# Altium PCB PCB2.PcbDoc
Units mm, origin at the board's own origin, x right, y up, seen from the top; angles counter-clockwise.
Board outline 195 x 115 mm, 2 copper layers (Top Layer, Bottom Layer); 47 components, 41 nets, 174 pads, 4 vias.
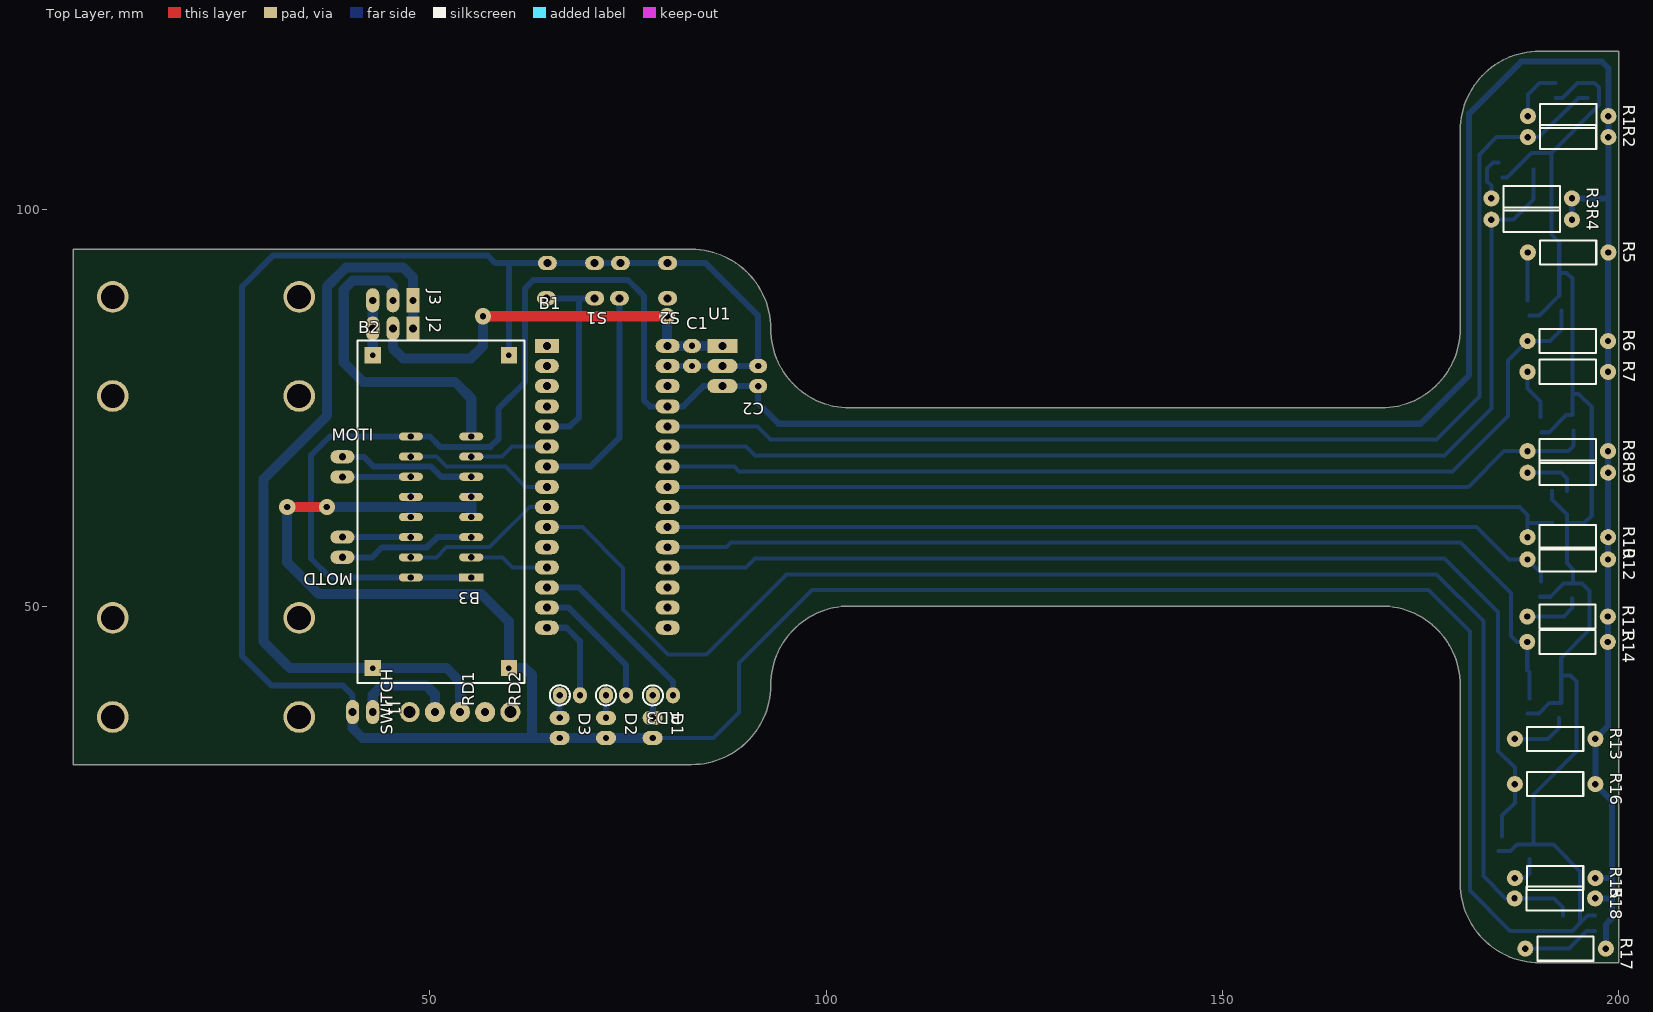
[diagram p0: Top Layer view]
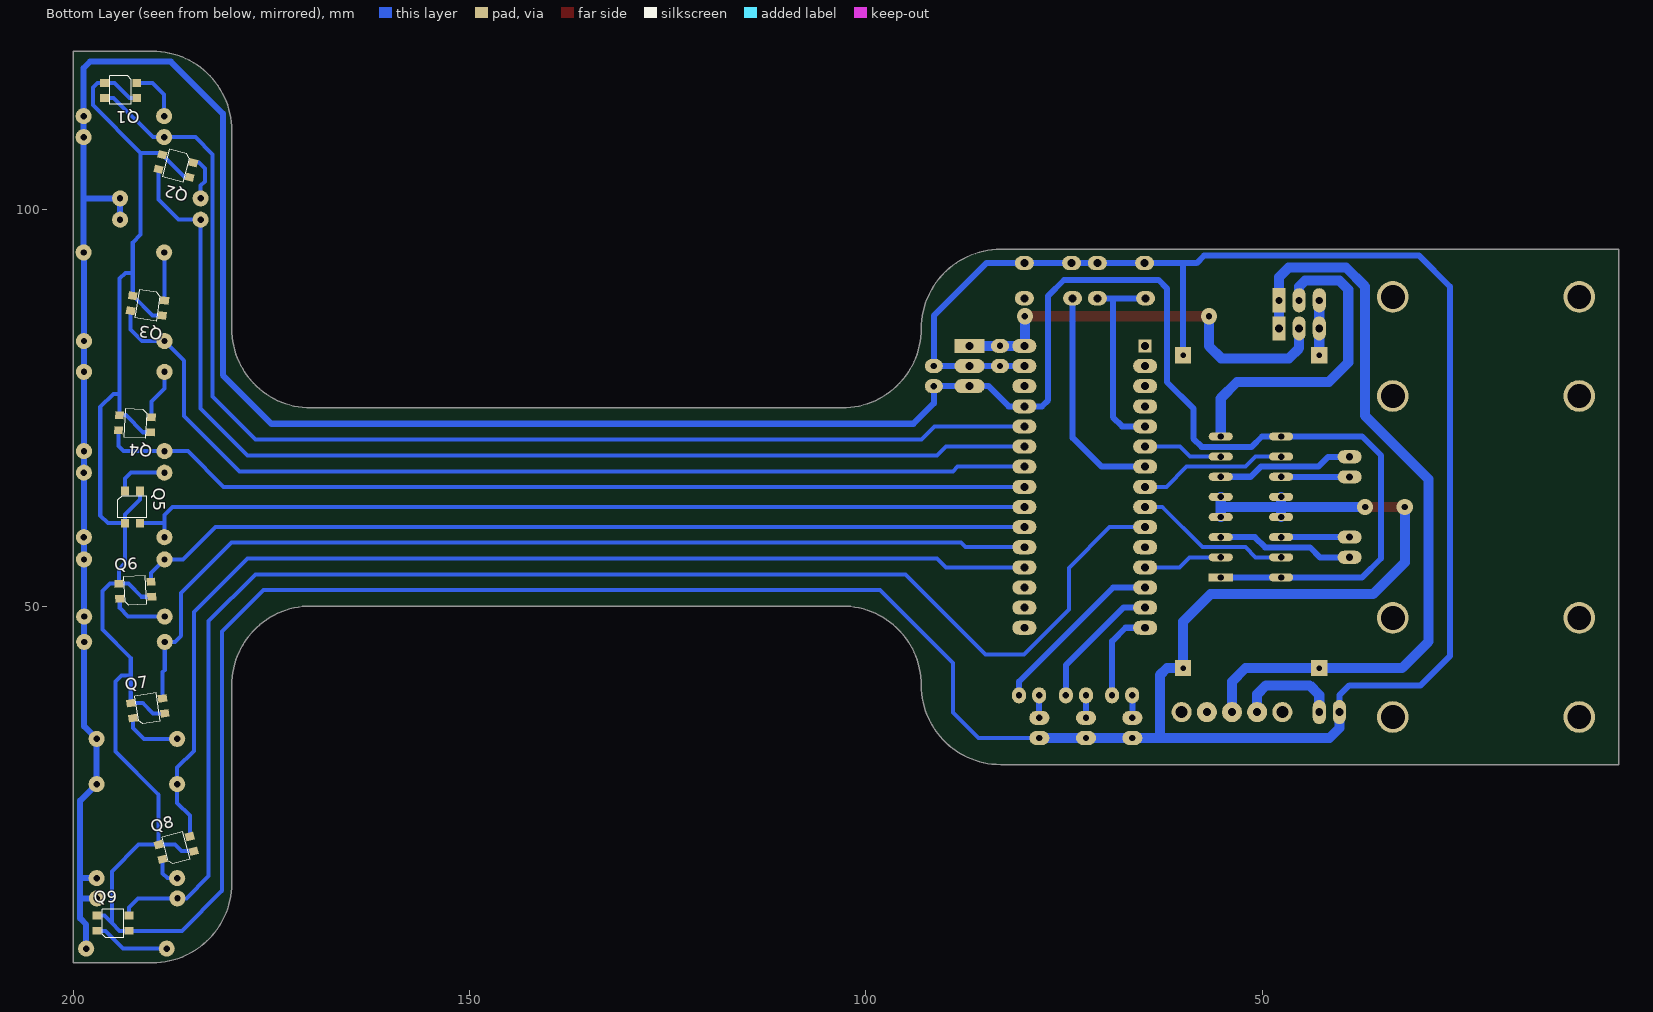
[diagram p1: Bottom Layer view, seen from below]

## Layer stack, top to bottom
Top Solder: solder mask 0.0102, Solder Resist, Dk 3.5
Top Layer: signal copper 0.0356
Dielectric 1: dielectric 0.32, FR-4, Dk 4.8
Bottom Layer: signal copper 0.0356
Bottom Solder: solder mask 0.0102, Solder Resist, Dk 3.5

## Board outline
5,30 83,30 ccw(c83,40) 93,40 cw(c103,40) 103,50 170,50 cw(c170,40) 180,40 180,15 ccw(c190,15) 190,5 200,5 200,120 190,120 ccw(c190,110) 180,110 180,85 cw(c170,85) 170,75 103,75 cw(c103,85) 93,85 ccw(c83,85) 83,95 5,95

## Design rules (kind name [scope] priority, off if disabled: settings)
Clearance [All] p1: gap=0.254
PolygonConnect [All] p1: connectstyle=Relief reliefconductorwidth=0.254 reliefentries=4 polygonreliefangle="90 Angle" airgapwidth=0.254
RoutingVias [All] p1: holewidth=0.8 width=2.032 viastyle="Through Hole" minholewidth=0.8 minwidth=2.032 maxholewidth=0.8 maxwidth=2.032
SolderMaskExpansion [All] p1: expansion=0.102
Width [All] p1: maxlimit=1.27 minlimit=0.508 preferedwidth=0.762
30 further rules are at their usual default settings.

## Components (designator, comment, footprint, x,y, rotation, side; value= is the part's Value field where it differs from the comment)
B1 "ARDUINO NANO" "ARDUINO NANO" 72.38,65.04 r0 top
B2 "XL6009" "XL6009 mdl" 50.49,62.03 r90 top
B3 "L293D" DIP16 55.22,53.61 r180 top
C1 "CAP-CER" CAP-CER 83.079,81.931 r90 top
C2 "CAP-CER" CAP-CER 91.42,78.629 r270 top
D1 "LED" LED-3MM-GREEN 78.103,34.622 r270 top
D2 "LED" LED-3MM-YELLOW 72.229,34.623 r270 top
D3 "LED" LED-3MM-RED 66.375,34.622 r270 top
J1 "Header 1x2" "HEADER 1x2"#1 41.519,36.625 r270 top
J2 "Jumper" "Header 1x3"#1 47.87,85.02 r270 top
J3 "Jumper" "Header 1x3"#2 47.87,88.57 r270 top
MOTD "Header 1x2" "HEADER 1x2"#2 38.96,57.42 r180 top
MOTI "Header 1x2" "HEADER 1x2"#2 38.96,67.56 r0 top
Q1 "QRE1113GR" QRE1113GR 194.01,115.03 r0 bottom
Q2 "QRE1113GR" QRE1113GR 187.029,105.503 r14.5 bottom
Q3 "QRE1113GR" QRE1113GR 190.613,87.886 r8.5 bottom
Q4 "QRE1113GR" QRE1113GR 192.18,72.985 r3.5 bottom
Q5 "QRE1113GR" QRE1113GR 192.5,62.5 r270 bottom
Q6 "QRE1113GR" QRE1113GR 192.18,52.015 r176.5 bottom
Q7 "QRE1113GR" QRE1113GR 190.613,37.114 r171.5 bottom
Q8 "QRE1113GR" QRE1113GR 187.029,19.497 r165.5 bottom
Q9 "QRE1113GR" QRE1113GR 195,10 r180 bottom
R1 "RES" RES-Axial-400mil 188.53,111.81 r0 top
R2 "RES" RES-Axial-400mil 188.52,109.16 r0 top
R3 "RES" RES-Axial-400mil 183.93,101.44 r0 top
R4 "RES" RES-Axial-400mil 183.93,98.74 r0 top
R5 "RES" RES-Axial-400mil 188.52,94.608 r0 top
R6 "RES" RES-Axial-400mil 188.482,83.43 r0 top
R7 "RES" RES-Axial-400mil 188.482,79.55 r0 top
R8 "RES" RES-Axial-400mil 188.482,69.54 r0 top
R9 "RES" RES-Axial-400mil 188.49,66.82 r0 top
R10 "RES" RES-Axial-400mil 188.49,58.68 r0 top
R11 "RES" RES-Axial-400mil 188.453,48.67 r0 top
R12 "RES" RES-Axial-400mil 188.48,55.88 r0 top
R13 "RES" RES-Axial-400mil 186.88,33.24 r0 top
R14 "RES" RES-Axial-400mil 188.45,45.47 r0 top
R15 "RES" RES-Axial-400mil 186.88,15.67 r0 top
R16 "RES" RES-Axial-400mil 186.88,27.53 r0 top
R17 "RES" RES-Axial-400mil 188.2,6.77 r0 top
R18 "RES" RES-Axial-400mil 186.85,13.12 r0 top
RD1 "RES" RES-RADIAL 67.661,38.743 r180 top
RD2 "RES" RES-RADIAL 73.495,38.737 r180 top
RD3 "RES" RES-RADIAL 79.399,38.733 r180 top
S1 "BUTTON_SMALL_4PIN" TACT_SWITCH-SMALL-4PIN 70.794,93.272 r180 top
S2 "BUTTON_SMALL_4PIN" TACT_SWITCH-SMALL-4PIN 80,93.272 r180 top
SWITCH "SLIDE-SWITCH" SWITCH 53.8,36.625 r180 top
U1 "LM7805" TO-220-STRAIGHT 86.91,82.82 r0 top

## Footprints (in the part's own frame and the unit in brackets; to place one, negate y for a bottom-side part, rotate by r counter-clockwise, add the part's x,y. Pads: shape width x height; smd on the part's side, far side on the other; paste and mask are expansions set on the pad)
"ARDUINO NANO" [mil]
  rect 120x70 / inner round 63.62 / far side rect 63.62x63.62 hole 39.37: 1(-300,700)
  oval 120x70 hole 39.37: 2(-300,600) 3(-300,500) 4(-300,400) 5(-300,300) 6(-300,200) 7(-300,100) 8(-300,0) 9(-300,-100) 10(-300,-200) 11(-300,-300) 12(-300,-400) 13(-300,-500) 14(-300,-600) 15(-300,-700) 16(300,-700) 17(300,-600) 18(300,-500) 19(300,-400) 20(300,-300) 21(300,-200) 22(300,-100) 23(300,0) 24(300,100) 25(300,200) 26(300,300) 27(300,400) 28(300,500) 29(300,600) 30(300,700)
  body extent -351,-924 358,847, height 496
CAP-CER [mil]
  oval 70x90 hole 31.5: 1(-65,0) 2(35,0)
  body extent -107,-44 87,34, height 207
DIP16 [mil]
  rect 120x40 hole 31.5: 1(0,0)
  oval 120x40 hole 31.5: 2(0,-100) 3(0,-200) 4(0,-300) 5(0,-400) 6(0,-500) 7(0,-600) 8(0,-700) 9(300,-700) 10(300,-600) 11(300,-500) 12(300,-400) 13(300,-300) 14(300,-200) 15(300,-100) 16(300,0)
  body extent -5,-744 305,44, height 201
"HEADER 1x2"#1 [mil]
  oval 120x65 hole 39.37: 1(0,50) 2(0,-50)
  body extent -49,-100 49,100, height 336
"HEADER 1x2"#2 [mil]
  oval 120x65 hole 35.43: 1(0,50) 2(0,-50)
  body extent -49,-100 49,100, height 336
"Header 1x3"#1 [mil]
  rect 120x65 hole 39.37: 1(0,0)
  oval 120x65 hole 39.37: 2(0,-100) 3(0,-200)
  body extent -49,-250 49,50, height 336
"Header 1x3"#2 [mil]
  rect 120x65 hole 35.43: 1(0,0)
  oval 120x65 hole 35.43: 2(0,-100) 3(0,-200)
  body extent -49,-250 49,50, height 336
LED-3MM-GREEN [mm]
  oval 1.778x2.54 hole 0.8: A(-1.27,0) K(1.27,0)
  body extent -1.66,-1.65 1.64,1.65, height 5.51
LED-3MM-RED [mm]
  oval 1.778x2.54 hole 0.8: A(-1.27,0) K(1.27,0)
  body extent -1.66,-1.65 1.64,1.65, height 5.51
LED-3MM-YELLOW [mm]
  oval 1.778x2.54 hole 0.8: A(-1.27,0) K(1.27,0)
  body extent -1.66,-1.65 1.64,1.65, height 5.51
QRE1113GR [mm]
  rect 1.1x1 smd: A(-2.01,-0.97) C(2.04,0.94) E(-2.01,0.94) K(2.04,-0.97)
  silkscreen extent -1.35,-1.85 1.35,1.75, body extent -2.4,-1.8 2.4,1.8, height 1.83
RES-Axial-400mil [mil]
  round 80 hole 31.5: 1(0,0) 2(400,0)
  silkscreen extent 60,-60 340,60, body extent -12,-44 410,44, height 94
RES-RADIAL [mil]
  oval 70x80 hole 31.5: 1(-50,0) 2(50,0)
  silkscreen extent 0,-50 100,50, body extent -100,-50 100,50
SWITCH [mm]
  round 2.54 hole 1: 1(-3.175,0) 2(0,0) 3(3.175,0)
  round 2.54 hole 1.5: 4(-6.35,0) 4(6.35,0)
  body extent -7,-3.1 7,3.1, height 9.65
TACT_SWITCH-SMALL-4PIN [mm]
  oval 2.4x1.8 hole 1: 1(0,4.445) 1(6.096,4.445) 2(0,0) 2(5.969,0)
  body extent -0.94,-0.79 7.04,5.21, height 5.15
TO-220-STRAIGHT [mm]
  rect 3.81x1.778 hole 1: 1(0,0)
  oval 3.81x1.778 hole 1: 2(0,-2.54) 3(0,-5.08)
  body extent -1.61,-7.75 2.88,2.55, height 16.8
"XL6009 mdl" [mil]
  rect 80x80 hole 27.56: 0(-782,303) 1(-782,-373) 2(772,-373) 3(772,303)
  silkscreen extent -855,-450 845,380, body extent -855,-450 845,380, height 502

## Part data
B2: library part "XL6009 Module"
B3: library part L293
J2 J3: library part "Header 1x3"
U1: library part LM78XX

## Free pads (board coordinates)
  round 4 hole 3: 0(10,36) 1(10,89) 2(10,48.5) 3(10,76.5) 4(33.5,89) 5(33.5,76.5) 6(33.5,48.5) 7(33.5,36)

## Via types
v1: diameter 2.032, hole 0.8, Top Layer to Bottom Layer, 4 vias

## Nets (pads, with @x,y where several pads share a name; then routed paths per layer and width w, separated by ;. In a path a pad name is that pad's centre, name@x,y a point inside that pad or via, vN(x,y) a via of type N, cw(c..) or ccw(c..) an arc to the next point about the centre after c; other vN are vias at no path point)
BAT: B2.0 J2.1 J3.1 SWITCH.2 | length 97.7
  Bottom Layer w1.27: J2.1 47.869,91.491 46.65,92.71 39.41,92.71 37.04,90.34 37.04,74.04 29,66 29,45.5 32.333,42.167 B2.0 52.083,42.167 53.8,40.45 SWITCH.2
BTN1: B1.5 S1.1 | length 25.7
  Bottom Layer w0.762: S1.1@64.698,88.827 68.84,88.827 ; B1.5 67.67,72.66 68.84,73.83 68.84,88.827 ; S1.1@70.794,88.827 68.84,88.827
BTN2: B1.7 S2.1 | length 28.3
  Bottom Layer w0.762: B1.7 70.25,67.58 73.904,71.234 S2.1@73.904,88.827
GND: B1.4 B1.29 B2.1 B2.2 B3.4 B3.5 B3.12 B3.13 C1.1 C2.1 D1.K D2.K D3.K J1.2 Q1.E Q1.K Q2.E Q2.K Q3.E Q3.K Q4.E Q4.K Q5.E Q5.K Q6.E Q6.K Q7.E Q7.K Q8.E Q8.K Q9.E Q9.K S1.2 S2.2 U1.2 | length 632.3
  Top Layer w1.27: v1(32,62.5) v1(37,62.5)
  Bottom Layer w0.508: 26.31,62.51 26.32,62.5 ; D1.K 85.802,33.352 89,36.55 89,42.79 98.21,52 176,52 181.22,46.78 181.22,14.08 186.27,9.03 Q9.K 194.13,9.03 195.115,10.015 ; Q8.K 186.339,19.069 187.174,19.904 Q8.E ; Q2.E 185.898,104.089 188.979,107.17 191.5,107.17 197.52,113.19 197.52,115.43 196.95,116 Q1.K 194.78,116 192.87,114.09 Q1.E ; Q7.K 189.936,36.456 191.226,37.746 Q7.E 192.74,41.21 ; Q3.E 190,86.659 Q3.K 192.488,92.04 ; Q6.K 191.361,51.171 193.02,52.83 Q6.E ; Q4.E 191.174,71.924 193.328,74.078 Q4.K 194.157,76.78 ; 191.5,106.953 191.5,96.87 192.488,95.882 192.488,92.04 ; Q5.E 191.56,63.44 193.47,61.53 Q5.K ; Q9.E 196.04,10.94 195.115,10.015 ; Q8.E 191.736,19.904 195.115,16.525 195.115,10.015 ; Q8.E 189.211,26.191 194.64,31.62 194.64,40.47 193.9,41.21 192.74,41.21 ; 192.488,92.04 193.42,92.04 194.157,91.303 194.157,76.78 ; 192.74,41.21 192.74,43.44 196.32,47.02 196.32,51.87 195.36,52.83 Q6.E ; Q5.K 195.62,60.46 196.59,61.43 196.59,75.11 194.92,76.78 194.157,76.78 ; Q5.K 193.47,55.4 194.243,54.627 Q6.E
  Bottom Layer w0.762: J1.2 40.249,38.751 39,40 30,40 26.31,43.69 26.31,62.51 26.31,90.31 30.2,94.2 57.33,94.2 58.258,93.272 59.959,93.272 ; B2.2@59.959,81.639 59.959,93.272 ; D3.K D3.K@66.405,33.352 ; D1.K D1.K@78.431,33.353 ; B1.29 C1.1 U1.2 C2.1 ; C2.1@91.615,80.28 91.42,80.475 91.42,86.65 84.798,93.272 80,93.272 74.031,93.272 70.794,93.272 64.825,93.272 59.959,93.272
  Bottom Layer w1.27: v1(32,62.5) 32,55.5 36,51.5 56.5,51.5 59.964,48.036 B2.1 62.003,42.167 62.9,41.27 62.9,33.352 41.498,33.352 40.249,34.602 J1.2 ; v1(37,62.5) 47.6,62.5 ; B3.13 47.6,62.5 ; B3.12 47.6,62.5 ; B3.4 55.22,62.5 ; B3.5 55.22,62.5 ; 63.05,33.352 D3.K ; D3.K@66.405,33.352 D2.K D1.K ; 47.6,62.5 55.22,62.5
LED1: B1.13 RD3.1 | length 22.6
  Bottom Layer w0.762: B1.13@64.698,52.34 B1.13 68.8,52.34 80.669,40.471 RD3.1
LED2: B1.14 RD2.1 | length 16.9
  Bottom Layer w0.762: B1.14@64.698,49.8 B1.14 67.513,49.8 74.765,42.547 RD2.1
LED3: B1.15 RD1.1 | length 11.8
  Bottom Layer w0.762: B1.15@64.698,47.26 B1.15 67.24,47.26 68.931,45.569 RD1.1
MD1: B3.3 MOTD.1 | length 17.3
  Bottom Layer w0.762: MOTD.1 42.71,56.15 43.96,57.4 49.62,57.4 50.91,58.69 B3.3
MD2: B3.14 MOTD.2 | length 8.6
  Bottom Layer w0.762: MOTD.2 B3.14
MDD: B1.9 B3.15 | length 19.8
  Bottom Layer w0.508: B3.15 50.83,56.15 52.1,57.42 57.52,57.42 62.6,62.5 B1.9
MDP: B1.12 B3.2 | length 10.1
  Bottom Layer w0.508: B3.2 59.14,56.15 60.41,54.88 B1.12
MI1: B3.6 MOTI.1 | length 17.3
  Bottom Layer w0.762: MOTI.1 41.66,68.83 42.91,67.58 50.17,67.58 51.44,66.31 B3.6
MI2: B3.11 MOTI.2 | length 8.6
  Bottom Layer w0.762: MOTI.2 47.58,66.29 B3.11
MID: B1.6 B3.7 | length 10.1
  Bottom Layer w0.508: B3.7 59.1,68.85 60.37,70.12 B1.6
MIP: B1.8 B3.10 | length 18.7
  Bottom Layer w0.508: B3.10 50.83,68.85 52.1,67.58 59.55,67.58 62.09,65.04 B1.8
NetB2_3: B2.3 J2.3 J3.3 | length 6.9
  Bottom Layer w1.27: B2.3@42.789,81.639 J3.3
NetD1_A: D1.A RD3.2 | length 2.9
  Bottom Layer w0.762: D1.A 78.129,35.918 RD3.2
NetD2_A: D2.A RD2.2 | length 2.8
  Bottom Layer w0.762: RD2.2 72.225,35.897 D2.A
NetD3_A: D3.A RD1.2 | length 2.9
  Bottom Layer w0.762: D3.A 66.375,38.727 RD1.2
NetJ1_1: J1.1 SWITCH.3 | length 13.2
  Bottom Layer w1.27: J1.1 42.789,38.789 44,40 49.5,40 50.625,38.875 SWITCH.3
NetQ1_A: Q1.A R1.1 | length 6.8
  Bottom Layer w0.508: R1.1 188.53,114.53 189.97,115.97 Q1.A@192,115.97
NetQ2_A: Q2.A R3.1 | length 5.8
  Bottom Layer w0.508: R3.1 183.93,103.03 183.39,103.57 183.39,105.22 184.109,105.939 Q2.A
NetQ3_A: Q3.A R5.1 | length 6
  Bottom Layer w0.508: Q3.A R5.1@188.482,94.57
NetQ4_A: Q4.A R7.1 | length 6.4
  Bottom Layer w0.508: R7.1 188.482,77.418 190.114,75.786 Q4.A
NetQ5_A: Q5.A R9.1 | length 6.9
  Bottom Layer w0.508: R9.1 192.73,66.82 193.47,66.08 Q5.A
NetQ6_A: Q6.A R11.1 | length 7.3
  Bottom Layer w0.508: R11.1@188.453,48.68 193.07,48.68 194.127,49.737 Q6.A
NetQ7_A: Q7.A R13.1 | length 7.4
  Bottom Layer w0.508: R13.1 191.08,33.24 192.458,34.618 Q7.A
NetQ8_A: Q8.A R15.1 | length 3.9
  Bottom Layer w0.508: R15.1 188.13,15.67 188.732,16.272 Q8.A
NetQ9_A: Q9.A R17.1 | length 9.7
  Bottom Layer w0.508: R17.1 193.69,6.77 195.95,9.03 Q9.A
Q1: B1.26 Q1.C R2.1 | length 152.5
  Bottom Layer w0.508: B1.26 91.34,72.66 93,71 177,71 182.41,76.41 182.41,98.105 182.406,98.109 182.406,99.371 182.41,99.375 182.41,100.805 182.406,100.809 182.406,106.996 184.57,109.16 R2.1 189.96,109.16 194.89,114.09 Q1.C
Q2: B1.25 Q2.C R4.1 | length 140.9
  Bottom Layer w0.508: B1.25 89.88,70.12 91,69 178,69 183.93,74.93 R4.1 186.71,98.74 189.24,101.27 Q2.C
Q3: B1.24 Q3.C R6.1 | length 126.9
  Bottom Layer w0.508: B1.24 88.42,67.58 89,67 179,67 186,74 186,80.948 R6.1 191.32,83.43 192.77,84.88 Q3.C
Q4: B1.23 Q4.C R8.1 | length 118.4
  Bottom Layer w0.508: B1.23 181.04,65.04 185.54,69.54 R8.1 193.65,69.54 194.273,70.163 Q4.C
Q5: B1.22 Q5.C R10.1 | length 114.8
  Bottom Layer w0.508: B1.22 187.49,62.5 188.49,61.5 188.49,60.46 ; R10.1 188.49,60.46 ; Q5.C 188.49,60.46
Q6: B1.21 Q6.C R12.1 | length 113.7
  Bottom Layer w0.508: B1.21 182.04,59.96 186.12,55.88 R12.1 190.201,54.159 Q6.C
Q7: B1.20 Q7.C R14.1 | length 124.3
  Bottom Layer w0.508: B1.20 87.42,57.42 88,58 180,58 186.38,51.62 186.38,46.25 187.16,45.47 R14.1 188.45,41.94 188.735,41.655 Q7.C
Q8: B1.19 Q8.C R16.1 | length 137.9
  Bottom Layer w0.508: B1.19 89.88,54.88 91,56 178,56 184.77,49.23 184.77,31.73 186.88,29.62 R16.1 186.88,25.17 185.29,23.58 Q8.C
Q9: B1.10 Q9.C R18.1 | length 179.4
  Bottom Layer w0.508: B1.10 69.24,59.96 74.38,54.82 74.38,49.55 80.03,43.9 84.9,43.9 95,54 177,54 182.91,48.09 182.91,15.91 185.7,13.12 R18.1 191.82,13.12 192.96,11.98 Q9.C
VCC: B1.27 B3.1 B3.9 B3.16 C2.2 R1.2 R2.2 R3.2 R4.2 R5.2 R6.2 R7.2 R8.2 R9.2 R10.2 R11.2 R12.2 R13.2 R14.2 R15.2 R16.2 R17.2 R18.2 U1.3 | length 399
  Bottom Layer w0.762: B3.1 B3.16 37.39,53.61 35,56 35,69 37.39,71.39 B3.9 50.01,71.39 51.32,70.08 57.64,70.08 58.68,71.12 58.68,74.94 62.01,78.27 62.01,90.08 63.06,91.13 75,91.13 76.99,89.14 76.99,75.98 77.77,75.2 B1.27 81.97,75.2 84.51,77.74 U1.3 C2.2 91.42,75.58 94,73 175,73 181.12,79.12 181.12,112.12 187.69,118.69 197.88,118.69 198.69,117.88 R1.2 198.69,109.17 R2.2 198.68,101.44 ; R4.2 R3.2 198.68,101.44 ; R18.2@197.04,13.15 R18.2 199.13,13.12 ; R15.2 199.13,15.67 ; R17.2 198.36,9.82 199.13,10.59 199.13,13.12 ; 198.68,101.44 R5.2 198.642,94.57 R6.2 R7.2 R8.2 198.642,66.828 R9.2 R10.2 198.65,55.89 R12.2 198.64,48.697 R11.2 198.613,45.473 R14.2 198.61,34.81 R13.2 R16.2 199.13,25.44 199.13,15.67 ; 199.13,13.12 199.13,15.67
VIN: B1.30 C1.2 J2.2 U1.1 | length 52.9
  Top Layer w1.27: v1(56.694,86.561) v1(79.938,86.561)
  Bottom Layer w1.27: J2.2 45.33,82.53 46.61,81.25 55.16,81.25 56.694,82.784 v1(56.694,86.561) ; v1(79.938,86.561) 79.938,82.82 B1.30 C1.2@83.18,82.82 ; C1.2 U1.1
VMOT: B3.8 J3.2 | length 40.4
  Bottom Layer w1.27: J3.2 45.33,90.32 44.6,91.05 40.24,91.05 39.13,89.94 39.13,80.73 41.59,78.27 53.16,78.27 55.22,76.21 B3.8@55.22,71.67
pads on no net: B1.1 B1.2 B1.3 B1.11 B1.16 B1.17 B1.18 B1.28 SWITCH.1 SWITCH.4

## Silkscreen, mask and mechanical layers (free items; w line width, h text height)
Mechanical 1:
  lines w0.254: 5,31 5,30 ; 5,30 5,95 83,95 cw(c83,85) 93,85 ccw(c103,85) 103,75 170,75 ccw(c170,85) 180,85 180,110 cw(c190,110) 190,120 200,120 200,5 190,5 cw(c190,15) 180,15 180,40 ccw(c170,40) 170,50 103,50 ccw(c103,40) 93,40 cw(c83,40) 83,30 5,30
Mechanical 2:
  lines w0.254: 5,62.5 20.75,62.5 ; 20.75,30 20.75,62.5 ; 20.75,95 20.75,62.5 ; 38.5,30 38.5,95 ; 180,27.5 200,27.5 ; 180,52.5 200,52.5 ; 180,72.5 200,72.5 ; 180,97.5 200,97.5 ; 200,62.5 20.75,62.5